# Allegro board reComputer J202_V1.0.brd (continued)
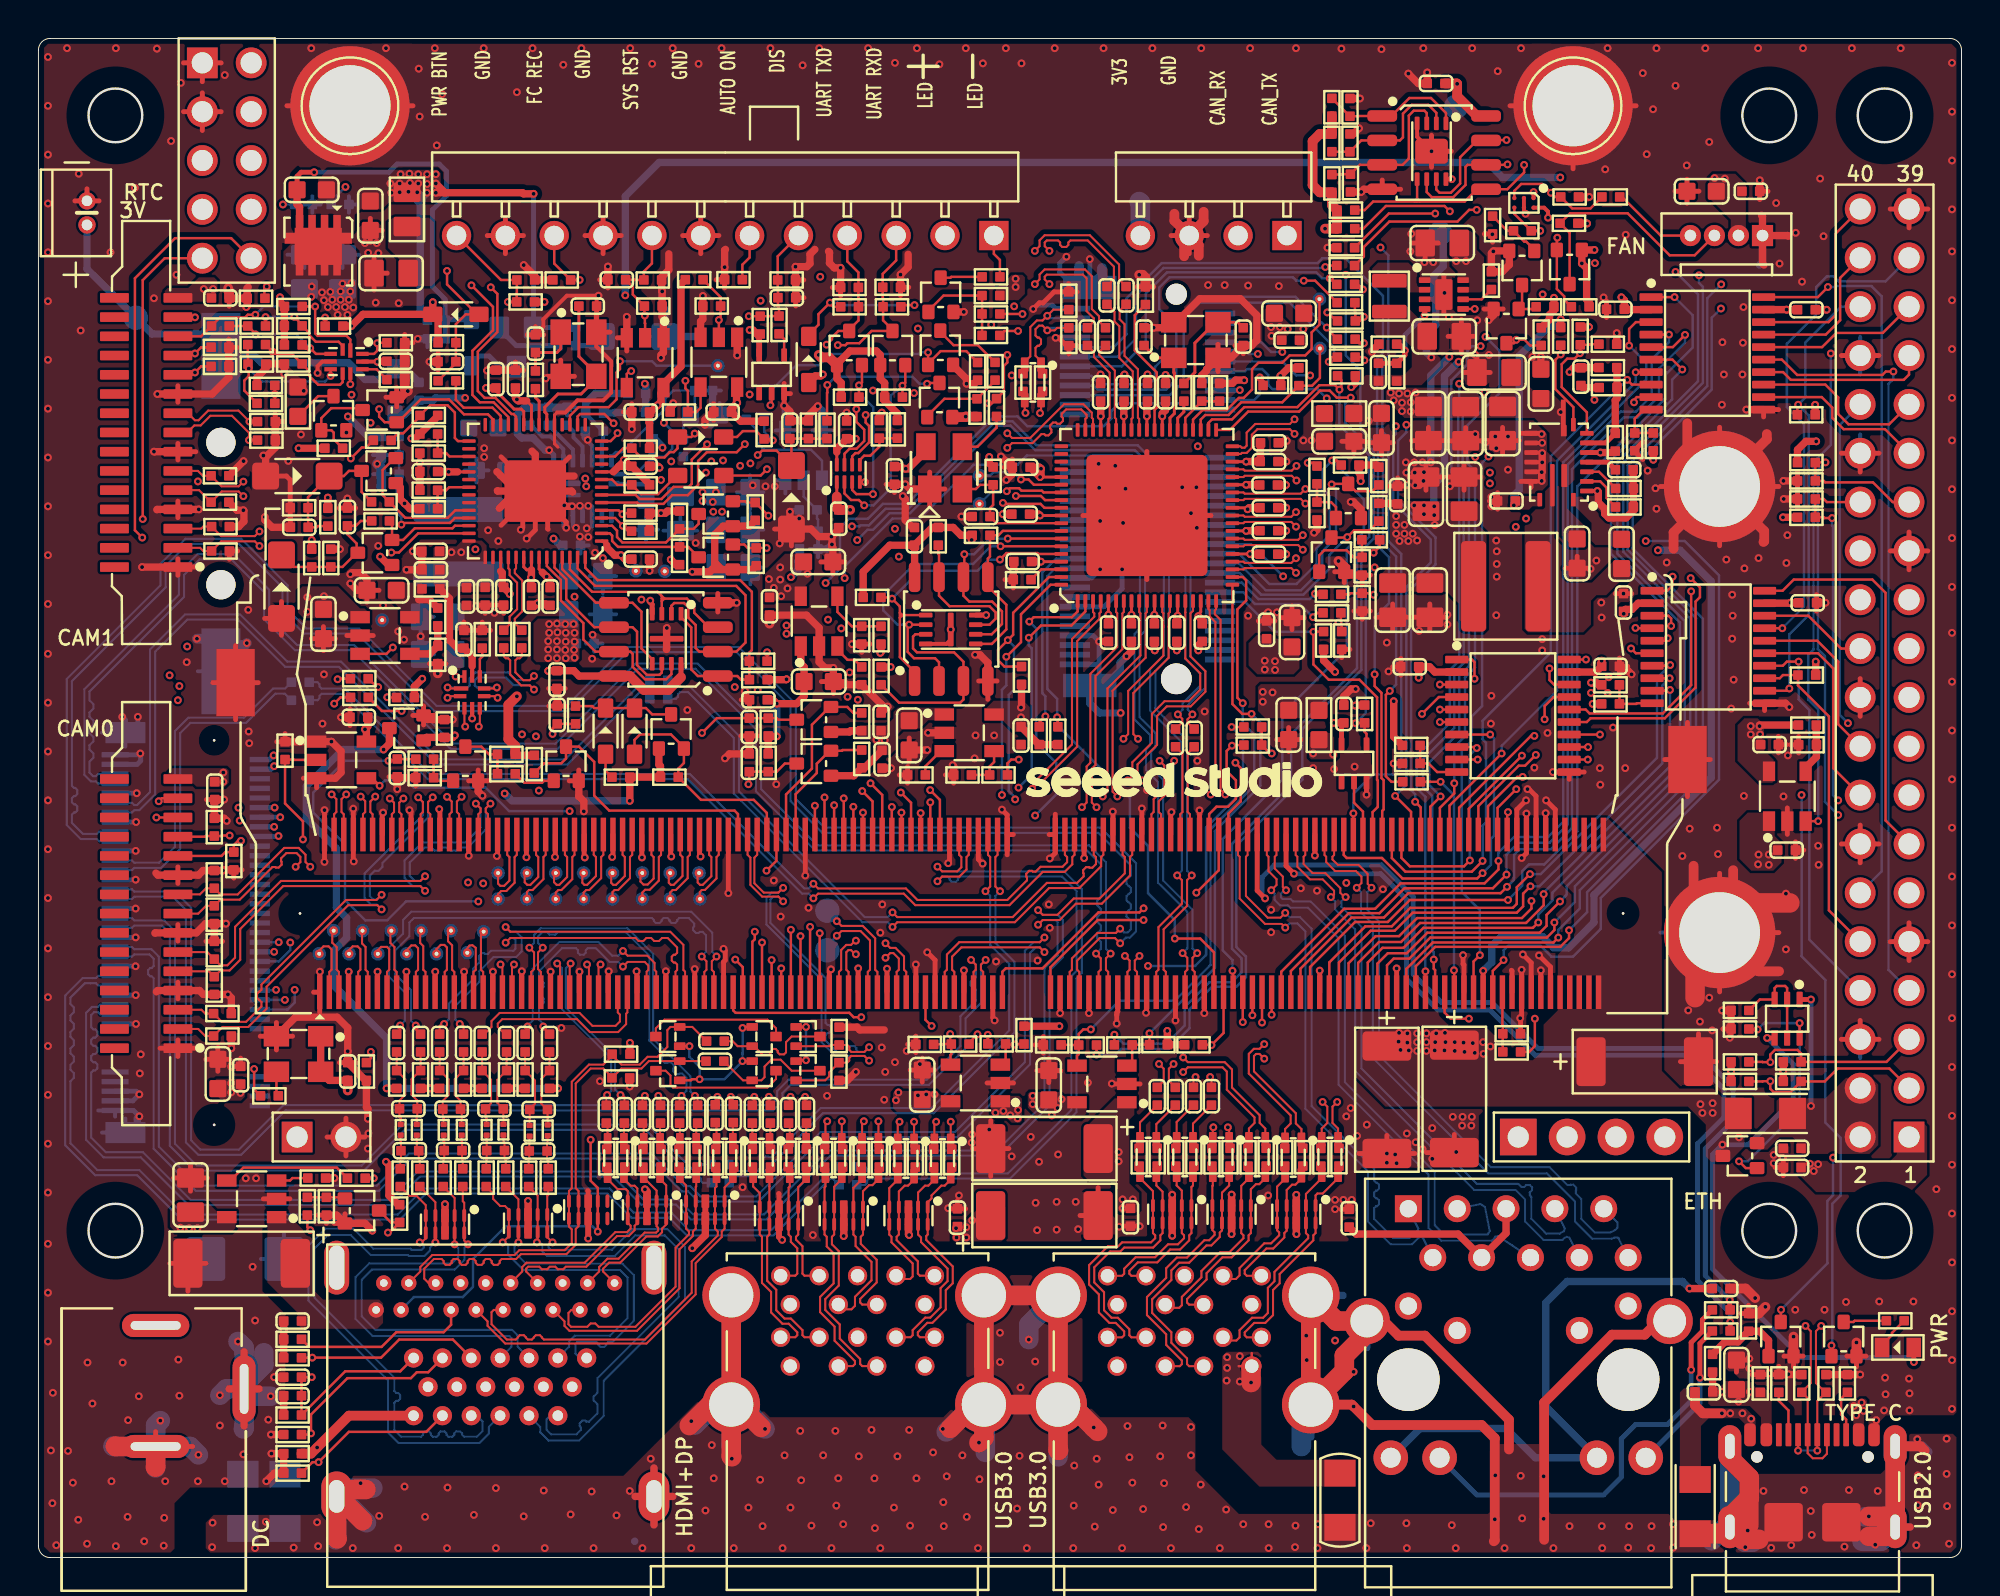
[diagram p0: board, top side]
## Routing (per net, layer and track width the routed paths; a pad name or vN(x,y) marks a point on that pad's centre or on a via; arc(x,y) is an arc through that point) (continued)
USBSS_TX_A_CON2_P: length 10.8
  TOP w0.107: R31.2 37.13,19.89 L7.3 37.16,19.3 37.51,18.95 U3.5 U3.6 37.51,16.8 37.62,16.68 37.62,14.28 38.1,13.81 38.1,12.75 38.69,12.16 39.01,12.16 39.46,11.71 39.46,11.56 39.35,11.46 J4.9
USBSS_TX_B_CON1_N: length 8.8
  TOP w0.107: R50.2 60.08,19.95 L13.2 60.04,19.35 59.95,19.27 U6.1 U6.10 59.95,16.87 59.84,16.76 59.84,16.49 59.36,16.02 58.85,16.02 58.18,15.35 57.17,15.35 56.73,14.91 56.73,14.76 56.83,14.65 J3.17
USBSS_TX_B_CON1_P: length 8.9
  TOP w0.107: J3.18 56.35,14.65 56.46,14.76 56.46,15.02 57.05,15.62 58.07,15.62 58.74,16.29 59.25,16.29 59.57,16.61 59.57,16.76 59.45,16.87 U6.9 U6.2 59.45,19.08 59.19,19.35 L13.3 59.14,19.95 R44.2
USBSS_TX_B_CON2_N: length 13.5
  TOP w0.107: R49.2 58.18,19.95 L12.2 58.13,19.35 58.45,19.03 U6.4 U6.7 58.45,16.87 58.34,16.76 58.34,16.49 57.97,16.12 56.46,16.12 56.26,15.92 55.72,15.92 54.9,15.09 54.9,14.31 55.41,13.8 55.41,12.86 55.8,12.47 56.13,12.47 56.73,11.87 56.73,11.56 56.83,11.45 J3.8
USBSS_TX_B_CON2_P: length 13.6
  TOP w0.107: R43.2 57.24,19.95 L12.3 57.28,19.73 57.95,19.06 U6.5 U6.6 57.95,16.87 58.07,16.76 58.07,16.61 57.85,16.39 56.35,16.39 56.15,16.19 55.61,16.19 54.63,15.21 54.63,14.2 55.14,13.69 55.14,12.75 55.69,12.2 56.02,12.2 56.46,11.76 56.46,11.56 56.35,11.45 J3.9
USBSS_TX_HUB_N: length 7.1
  TOP w0.107: C161.2 56.22,64.84 56.22,64.4 56.48,64.14 56.48,62.49 57.17,61.8 57.17,59.28 57.24,59.21 U28.49
USBSS_TX_HUB_P: length 7.1
  TOP w0.107: U28.50 56.84,59.21 56.9,59.28 56.9,61.68 56.21,62.38 56.21,64.03 55.95,64.28 55.95,64.78 C160.2
USBSS_TX_N: length 38.5
  TOP w0.107: v1(51.81,66.23) 52.06,66.47 52.06,66.72 52.32,66.99 54.42,66.99 54.77,66.63 54.77,64.93 55.15,64.55 55.15,64.29 C151.1 ; J11.166 57.87,38.66 57.99,38.77 57.99,39.44 58.54,40 58.54,41.19 v1(58.3,41.43)
  LAY3 w0.084: v1(51.81,66.23) 52.07,65.96 52.07,65.57 54.44,63.2 54.44,58.98 57.28,56.14 57.28,44 58.56,42.72 58.56,41.7 v1(58.3,41.43)
USBSS_TX_P: length 38.3
  TOP w0.107: J11.168 58.37,38.66 58.26,38.77 58.26,39.33 58.81,39.89 58.81,41.19 v1(59.06,41.43) ; v1(52.57,66.23) 52.33,66.47 52.33,66.61 52.43,66.72 54.31,66.72 54.51,66.52 54.51,64.82 54.88,64.44 54.88,64.29 C150.1
  LAY3 w0.084: v1(52.57,66.23) 52.31,65.96 52.31,65.67 52.54,65.44 52.66,65.44 52.69,65.47 52.81,65.47 52.93,65.35 52.93,65.23 52.9,65.2 52.9,65.08 53.01,64.96 53.13,64.96 53.17,65 53.28,65 53.4,64.88 53.4,64.76 53.37,64.73 53.37,64.61 53.49,64.49 53.61,64.49 53.64,64.52 53.76,64.52 53.88,64.4 53.88,64.29 53.84,64.25 53.84,64.13 54.68,63.3 54.68,59.08 57.52,56.24 57.52,44.1 58.8,42.82 58.8,41.7 v1(59.06,41.43)
USBSUS: length 4.7
  TOP w0.127: U28.64 52.27,55.39 52.18,55.48 51.12,55.48 50.99,55.61 50.51,55.61 v1(50.35,55.46)
  BOTTOM w0.127: TP33.1 49.6,55.46 v1(50.35,55.46)
W_DISABLE1: length 11.6
  TOP w0.127: Q19.3 68.03,53.04 v1(68.06,53.07) 68.41,53.42 69.22,53.42 R142.2
  BOTTOM w0.127: v1(68.06,53.07) 67.12,52.13 67.12,51.42 65.78,50.07 63.59,50.07 62.46,51.2 J20.56
W_DISABLE1_CTRL: length 43.6
  TOP w0.127: R266.1 69.74,52.57 v1(69.43,52.26) ; J11.128 v1(46.37,39.28)
  LAY3 w0.127: v1(46.37,39.28) 46.1,39.55 46.06,39.55 45.53,40.09 45.53,48.25 45.66,48.37 45.66,51.14 v1(44.74,52.05)
  LAY4 w0.127: v1(69.43,52.26) 69.43,53.17 68.6,54 65.24,54 65.23,54.01 64.78,54.01 63.87,54.92 51.8,54.92 50.25,53.37 47.15,53.37 45.83,52.05 v1(44.74,52.05)
W_DISABLE2: length 13.9
  TOP w0.127: v1(67.25,55.81) 67.27,55.84 Q22.3 68.49,55.46 69.37,55.46 R152.2
  BOTTOM w0.127: v1(67.25,55.81) 67.47,55.58 67.47,53.04 66.76,52.33 66.76,51.42 65.65,50.3 63.82,50.3 62.42,51.7 J20.54
WIFI_EN: length 4.3
  TOP w0.127: R266.2 68.82,52.49 68.83,52.47 R267.1 68.39,52.01 68.02,52.38 66.86,52.38 66.6,52.12 Q19.1
YELLOW_LED: length 8
  TOP w0.254: R6.2 86.4,11.14 v1(86.4,9.35)
  BOTTOM w0.254: v1(86.4,9.35) 86.4,8.01 J6.18
N25850412: length 3
  TOP w0.127: R96.2 R90.2 72.29,41.3 72.73,40.85 U19.10
N25851230: length 2.7
  TOP w0.127: U21.10 83.12,44.43 83.08,44.39 R107.2 R110.2
N25852172: length 2.8
  TOP w0.127: U37.10 83.48,59.7 83.01,59.23 R158.2 R159.2
N25911235: length 1.3
  TOP w0.127: D20.1 29.49,40.92 R83.2
N25912244: length 2
  TOP w0.127: Q3.1 15.88,18.73 R12.1 R11.1
N25927437: length 1.9
  TOP w0.127: R8.1 96.38,11.68 96.38,11.57 95.87,11.05 LED1.2
N25927478: length 2.2
  TOP w0.127: R8.2 94.44,12.31 94.38,12.25 Q2.3
N25946676: length 2.2
  TOP w0.127: Q31.3 47.42,66.56 47.47,66.6 R230.2
N25979746: length 8.1
  TOP w0.127: D38.2 40.06,63.61 40.56,64.11 40.56,64.66 v1(41.16,65.26) 41.16,65.21 41.33,65.04 R215.1 ; R216.1 44.93,65.13 v1(45.55,65.13)
  BOTTOM w0.127: v1(41.16,65.26) 41.55,65.26 41.68,65.13 v1(45.55,65.13)
N26006489: length 5.5
  TOP w0.127: Q11.5 Q11.2 90.93,29.62 90.82,29.73 90.39,29.73 90.28,29.61 Q11.3 89.51,29.02 R80.1
N26006497: length 13.4
  TOP w0.127: Q11.6 v1(91.58,27.79) ; v1(88.43,20.61) 88.78,20.25 Q4.1 ; R79.1 88.96,27.46 v1(89.39,27.46)
  BOTTOM w0.127: v1(89.39,27.46) 89.72,27.79 v1(91.58,27.79) 91.58,23.3 88.89,20.61 v1(88.43,20.61)
N26055734: length 3.2
  TOP w0.152: R185.1 25.84,62.21 25.85,62.21 C147.1 26.96,62.67 27.16,62.86 X1.1
N26086243: length 2.7
  TOP w0.127: U29.31 21.38,57.26 21.2,57.44 R155.1 R162.1
N26086803: length 2.7
  TOP w0.127: U29.35 21.36,55.66 21.2,55.5 R148.1 R143.1
N26280660: length 10.5
  TOP w0.127: U29.17 27.64,59.38 28.08,59.82 29.65,59.82 30.06,60.23 30.06,61.63 30.24,61.81 v1(30.24,62.21)
  BOTTOM w0.127: TP37.1 32.14,61.98 31.91,62.21 v1(30.24,62.21)
N26375074: length 17.9
  TOP w0.127: Q30.3 76.72,63.15 76.85,63.28 v1(76.85,63.33) 77.27,63.33 77.57,63.03 R203.2 ; U39.C1 76.75,71.08 77.1,71.43 78.19,71.43 v1(78.65,70.97) 78.87,70.76 R238.1 79.75,70.16 80.7,70.16 R270.1
  LAY3 w0.127: v1(78.65,70.97) 78.12,71.51 77.3,71.51 76.75,70.95 76.75,63.86 76.85,63.76 v1(76.85,63.33)
N26991327: length 1.3
  TOP w0.127: R268.1 12.37,24.11 OSC1.3
N27061287: length 1
  TOP w0.381: R4.1 87.05,8.63 C3.1
  vias: v1(87.52,8.62) v1(88.4,8.11) v1(88.99,8.62) v1(94.4,7.88) v1(94.52,7.4) v1(94.8,8.06) v1(94.91,7.63)
N27061303: length 4.4
  TOP w0.381: R4.2 87.7,11.21 88.37,11.21 R7.1 89.49,11.77 89.96,11.3 Q1.1
N27077930: length 2.5
  BOTTOM w0.254: D53.2 28.8,63.02 R257.1 27.93,63.99 R259.2
N27077935: length 3.5
  BOTTOM w0.254: Q35.1 23.97,63.9 24.84,63.02 R257.2
N27077990: length 2.8
  BOTTOM w0.254: D52.1 22.52,62.08 22.92,62.48 23.44,62.48 23.99,61.93 Q35.3
N27078074: length 21.6
  TOP w0.254: C167.2 13.45,71.83 13.66,72.04 v1(14.34,72.04)
  TOP w0.381: C167.2 13.45,70.37 13.58,70.24 Q34.4
  BOTTOM w0.254: R258.1 21.15,64.34 R260.2 ; R260.2 21.18,64.38 D52.2 22.52,64.48 ; R260.2 21.15,65.43 20.48,66.1 20.48,70.09 21.22,70.82 21.22,72.09 20.84,72.47 18.66,72.47 18.22,72.04 v1(14.34,72.04)
N27097525: length 1.3
  BOTTOM w0.381: R253.2 29.95,59.52 29.98,59.55 C192.1
N27099788: length 1
  TOP w0.381: C144.1 80.32,60.84 R180.2
N27107328: length 3.6
  TOP w0.127: Q29.3 46.9,63.74 47.58,63.05 48.85,63.05 R190.2
N27107353: length 4.4
  TOP w0.127: Q26.1 46.22,59.37 47.11,60.26 R171.1 ; 48.86,60.26 R171.1 ; R171.1 49.74,61.2 R190.1
N27107904: length 8
  TOP w0.127: v1(41.02,60.98) 41.02,60.59 41.01,60.57 R165.1 ; Q26.3 46.38,61.08 46.34,61.04 v1(46.21,61.04)
  BOTTOM w0.127: v1(46.21,61.04) 45.81,61.04 45.45,61.4 41.45,61.4 v1(41.02,60.98)
N27110960: length 1.2
  TOP w0.127: U33.4 38.78,63.37 R212.2
N27125534: length 1.7
  TOP w0.127: R219.1 75.04,65.43 U38.6
N27125586: length 5
  TOP w0.254: C141.2 69.68,62.11 R194.2 71.06,62.53 v1(71.06,62.77) 71.06,62.8 70.75,63.1 R199.1 ; U38.4 v1(72.08,64.6)
  BOTTOM w0.254: v1(72.08,64.6) 71.06,63.57 v1(71.06,62.77)
N27163242: length 3.4
  TOP w0.127: U27.4 41.55,49.18 42.29,48.43 R122.1 R123.2
N27163660: length 1.8
  TOP w0.127: R114.1 42.44,46.69 42.07,46.69 41.55,47.21 U27.3
N27181331: length 2.3
  TOP w0.127: R86.1 R87.2 49.46,41.14 49.69,41.37 U18.4
N27181337: length 1.8
  TOP w0.127: U18.3 46.91,41.94 46.12,41.14 R85.1
N27707013: length 6.2
  BOTTOM w0.127: U43.1 40.74,57.04 40.17,57.61 37.73,57.61 37.38,57.97 37.38,58.63 R269.1

## Copper pours and planes (outline as drawn; the poured copper is in the pictures)
3V3_LDO on TOP: 19.85,48.75 19.85,49.74 20.03,49.92 20.03,50.58 19.9,50.71 18.35,50.71 18.2,50.55 18.2,49.94 18.81,49.33 18.81,48.72 18.99,48.55 19.65,48.55
3V3_MCU on TOP: 23.05,52.89 22.03,52.89 21.73,52.59 20.64,52.59 20.54,52.48 20.54,50.6 21.27,49.87 21.6,49.87 21.96,50.22 23.46,50.22 23.71,50.48 23.71,52.28 23.66,52.33 23.58,52.33 23.56,52.31 23.56,51.7 23.51,51.65 23.35,51.65 23.3,51.7 23.3,52.64
3V3_MCU on PWR05: 32.65,54.19 32.65,59.95 32.37,60.23 29.7,60.23 29.2,59.72 29.2,57.97 28.92,57.69 28.23,57.69 27.98,57.94 27.98,60.61 27.62,60.97 25.69,60.97 24.98,61.68 24.98,65.11 24.42,65.67 18.94,65.67 18.5,65.23 18.5,62.36 17.49,61.35 17.49,51.98 17.69,51.77 28.23,51.77 29.76,53.3 31.76,53.3
GND on TOP: 71.34,69.07 72.81,69.07 72.96,68.92 72.96,67.29 73.52,66.73 73.52,64.93 73.88,64.57 74.99,64.57 75.22,64.8 75.22,65.21 75.32,65.31 75.83,65.31 75.96,65.18 75.96,64.32 75.7,64.07 75.7,61.37 75.32,60.99 73.77,60.99 73.27,61.5 73.27,62.13 73.32,62.12 73.37,62.12 73.69,62.44 73.37,62.77 73.32,62.76 73.27,62.75 73.42,62.9 73.42,63.89 72.66,64.65 72.66,65.11 72.45,65.31 71.94,65.31 71.87,65.39 71.87,65.49 71.94,65.56 72.48,65.56 72.55,65.64 72.55,66.17 72.43,66.3 71.94,66.3 71.84,66.4 71.84,67.37 71.18,68.03 71.18,68.92
GND on TOP: 68.36,17.86 67.37,17.86 67.2,18.04 67.2,18.73 67.53,19.06 68.29,19.06 68.52,18.83 68.52,18.02
GND on TOP: 74.64,20.28 74.89,20.53 74.89,22.97 74.71,23.15 69.63,23.15 69.13,23.65 68.21,23.65 67.78,23.22 67.78,22.77 68.24,22.31 68.24,20.45 68.41,20.28
GND on TOP: 10.88,25.43 10.88,26.93 10.53,27.29 10.07,27.29 9.82,27.03 9.82,26.83 9.71,26.73 5.27,26.73 4.81,26.27 4.81,20.38 6.11,19.08 8.6,19.08 9.36,18.32 10.43,18.32 10.53,18.22 10.53,17 10.15,16.62 6.95,16.62 6.84,16.52 6.84,13.93 7.33,13.44 7.94,13.44 9.56,11.82 9.56,10.22 8.5,9.15 5.45,9.15 4.36,8.06 4.36,5.52 4.79,5.09 12.2,5.09 12.43,5.32 12.43,7.12 12.53,7.22 12.71,7.22 12.84,7.35 12.84,12.66 11.65,13.85 11.65,18.24 11.77,18.37 12.69,18.37 12.81,18.5 12.81,18.83 12.69,18.96 11.77,18.96 11.65,19.08 11.65,19.79 11.44,20 10.78,20 10.53,19.74 10.53,19.08 10.4,18.96 9.38,18.96 9,19.34 9,20.71 7.99,21.72 7.99,24.72 8.57,25.31 10.76,25.31
GND on TOP: 90.16,59.7 86.14,59.7 84.21,57.77 84.21,53.37 83.04,52.2 83.04,51.01 82.54,50.5 82.16,50.5 81.88,50.22 81.88,49.79 81.98,49.69 82.69,49.69 82.97,49.97 82.97,50.4 84.75,52.18 89.78,52.18 91.1,53.5 91.1,58.76
GND on TOP: 95.49,9.41 95.82,9.74 97.62,9.74 97.73,9.63 97.73,7.75 97.37,7.4 96.07,7.4 95.74,7.07 95.74,5.98 95.62,5.85 95.31,5.85 95.16,6 95.16,7.25 95.49,7.58
GND on TOP: 78.47,61.35 77.89,61.35 77.66,61.58 77.66,62.16 77.48,62.34 77.48,62.57 77.63,62.72 78.45,62.72 78.6,62.57 78.6,61.48
GND on TOP: 90.49,21.5 90.89,21.5 91.05,21.34 91.05,20.12 90.92,20 90.16,20 90,20.15 90,21.01
GND on TOP: 91.45,9.28 89.22,9.28 88.81,9.68 87.9,9.68 87.74,9.84 87.74,10.62 87.95,10.83 88.76,10.83 89.65,9.94 90.74,9.94 90.99,10.19 90.99,11.62 91.1,11.72 91.38,11.72 91.5,11.59 91.5,9.33
GND on TOP: 45.63,53.37 44.41,53.37 42.38,51.34 41.19,51.34 40.86,51.67 40.86,52.05 40.32,52.59 38.44,52.59 38.21,52.81 38.21,53.55 38.24,53.58 38.24,54.64 37.65,55.23 36.97,55.23 36.79,55.4 36.79,55.86 36.99,56.07 38.26,56.07 38.95,55.38 40.75,55.38 41.01,55.13 41.01,54.03 41.26,53.78 42.58,53.78 44.06,55.25 45,55.25 45.3,54.95 45.3,54.34 45.68,53.96 45.68,53.42
GND on TOP: 65.34,63.13 65.34,65.23 64.96,65.62 63,65.62 62.65,65.97 57.7,65.97 56.93,66.73 56.93,67.39 56.55,67.77 56.55,67.83 56.98,67.83 57.04,67.77 58.56,67.77 59.09,68.31 59.09,68.89 59.42,69.22 60.21,69.22 60.57,68.87 60.57,68.08 60.87,67.77 65.67,67.77 65.7,67.75 65.7,67.65 65.11,67.06 65.11,66.48 66.18,65.41 66.18,64.07 65.93,63.81 65.93,63.1 65.82,63 65.47,63
GND on TOP: 17.16,23.58 15.66,23.58 15.18,23.1 15.18,20.86 15.48,20.56 17.28,20.56 17.56,20.84 17.56,23.17
GND on TOP: 16.17,51.44 16.04,51.32 16.04,50.4 16.52,49.92 16.75,49.92 17.41,49.26 17.41,48.34 17.31,48.24 13.6,48.24 13.25,48.6 13.25,49.18 12.92,49.51 12.33,49.51 11.75,50.1 11.75,51.57 10.76,52.56 9.84,52.56 9.71,52.43 9.71,52.08 9.33,51.7 6.57,51.7 6.21,51.34 6.21,41.49 6.46,41.23 11.57,41.23 12.46,42.12 15.35,42.12 15.56,41.92 15.56,41.79 15.66,41.69 15.89,41.69 16.27,42.07 16.27,43.72 16.04,43.95 15.25,43.95 14.79,44.41 14.79,45.5 16.04,46.74 16.04,47.53 16.17,47.66 17.31,47.66 17.46,47.51 19.93,47.51 20.1,47.68 20.1,48.19 19.98,48.32 18.86,48.32 18.48,48.7 18.48,49.38 18.12,49.74 17.72,49.74 17.49,49.97 17.49,50.73 17.67,50.91 20.03,50.91 20.21,51.09 20.21,52.56 20,52.76 19.6,52.76 18.94,52.1 18.94,51.37 18.76,51.19 17.89,51.19 17.64,51.44
GND on TOP: 80.7,52.09 80.89,52.28 81.22,52.28 81.34,52.15 81.34,51.62 80.58,50.86 79.54,50.86 79.39,51.01 79.39,51.98 79.5,52.09
GND on TOP: 21.81,49.56 21.98,49.74 24.24,49.74 24.4,49.59 24.4,49.31 23.05,47.96 22.06,47.96 21.81,48.22
GND on TOP: 65.65,42.86 64.71,42.86 64.43,42.58 64.43,41.71 64.25,41.54 63.54,41.54 63.28,41.28 63.28,40.55 63.51,40.32 66.69,40.32 67.17,40.8 68.85,40.8 68.95,40.7 68.95,39.45 69.05,39.35 69.25,39.35 69.38,39.48 69.38,41.18 69.23,41.33 65.98,41.33 65.8,41.51 65.8,42.7
GND on TOP: 62.78,48.67 62.78,49.38 63.08,49.69 63.08,49.94 63.26,50.12 65.29,50.12 65.3,50.11 69.57,50.11 69.68,49.99 73.01,49.99 73.52,49.49 73.52,48.27 74.38,47.4 82.28,47.4 82.77,46.92 82.77,44.81 82.71,44.76 71.26,44.76 67.83,48.19 63.26,48.19
GND on TOP: 86.96,42.1 89.01,40.04 90.46,40.04 90.64,40.22 90.64,41.49 90.26,41.87 90.26,42.45 90.44,42.63 91.55,42.63 91.73,42.45 91.73,41.87 91.38,41.51 91.38,39.45 91.22,39.3 91.22,37.78 91.71,37.29 92.65,37.29 92.82,37.12 92.82,30.77 92.09,30.03 89.47,30.03 88.18,28.73 88.18,26.35 87.97,26.14 87.64,26.14 87.54,26.04 87.54,25 87.11,24.57 85.48,24.57 84.67,25.38 84.67,36.46 85.05,36.84 87.31,36.84 88.77,35.38 90.7,35.38 91.12,35.8 91.12,37.04 90.64,37.52 90.64,38.84 90.44,39.05 88.61,39.05 88.05,38.49 88.05,37.75 87.82,37.52 85.38,37.52 84.42,38.49 84.42,42.98 84.57,43.14 84.57,43.29 84.7,43.42 86.8,43.42 86.96,43.26
GND on TOP: 48.2,17.94 47.26,17.94 47.1,18.09 47.1,18.57 48.02,19.49 48.02,23.02 48.27,23.27 48.27,24.01 48.02,24.26 47.13,24.26 46.72,24.67 44.13,24.67 43.62,25.18 43.62,27.19 43.55,27.26 43.55,27.49 43.7,27.64 45.33,27.64 45.83,27.13 45.83,26.22 46.85,25.2 48.98,25.2 49.21,24.98 50.66,24.98 50.86,25.18 50.86,26.12 50.99,26.25 51.68,26.25 51.83,26.4 51.83,27.08 51.9,27.16 52.36,27.16 52.49,27.03 52.49,26.47 53.02,25.94 53.02,25.41 53.3,25.13 55.82,25.13 56.02,24.92 56.91,24.92 57.06,24.77 57.06,24.44 56.96,24.34 53.4,24.34 53.15,24.59 51.29,24.59 51.07,24.37 49.42,24.37 49.34,24.29 49.34,22.97 50.15,22.16 52.41,22.16 53.43,21.14 53.43,19.87 54.29,19.01 55.51,19.01 55.82,18.7 55.82,17.81 56.07,17.56 57.37,17.56 57.52,17.41 57.52,17.1 57.21,16.8 51.73,16.8 51.5,17.03 51.5,19.11 50.81,19.79 49.11,19.79 48.4,19.08 48.4,18.14
GND on TOP: 28.38,52.64 23.74,52.64 23.02,53.35 23.02,57.89 23.13,58 27.67,58 28.18,57.49 28.18,55.53 28.76,54.95 28.76,53.02 ; 1 cut-out
GND on TOP: 12.71,59.24 12.2,59.24 12.08,59.11 12.08,57.84 11.77,57.54 10.81,57.54 10.32,57.06 10.32,56.65 10.43,56.55 10.96,56.55 11.09,56.42 11.09,54.95 10.58,54.44 10.58,53.91 10.68,53.8 10.86,53.8 11.06,54.01 11.67,54.01 12.18,53.5 13.07,53.5 13.35,53.78 13.35,57.77 13.52,57.94 14.13,57.94 14.21,58.02 14.21,58.58 14.06,58.73 12.97,58.73 12.81,58.88 12.81,59.14
GND on TOP: 78.65,30.28 76.54,30.28 76.42,30.41 76.42,31.4 76.59,31.58 78.5,31.58 78.75,31.33 78.75,30.39
GND on TOP: 68.44,3.82 68.44,4.78 68.13,5.09 64.38,5.09 63.59,5.87 63.59,10.52 63.41,10.7 61.78,10.7 61.56,10.47 61.56,5.62 63.49,3.69 68.31,3.69
GND on TOP: 17.72,69.37 16.88,69.37 16.65,69.15 16.65,68.33 16.83,68.16 16.83,65.16 16.98,65.01 18.91,65.01 19.04,65.13 19.04,65.51 18.78,65.77 18.3,65.77 17.92,66.15 17.92,69.17
GND on TOP: 70.32,58.63 67.8,58.63 67.73,58.55 67.73,57.56 67.91,57.39 69.61,57.39 70.24,56.75 70.24,55.51 70.29,55.46 74.87,55.46 75.17,55.15 75.17,54.64 75.5,54.31 76.11,54.31 76.31,54.52 76.31,55.28 76.62,55.58 78.04,55.58 78.35,55.89 78.35,58.48 77.84,58.99 70.67,58.99
GND on TOP: 45.3,40.29 43.88,40.29 43.62,40.55 43.62,41.13 43.78,41.28 44.41,41.28 44.82,41.69 44.82,42.32 44.92,42.43 45.5,42.43 46.27,43.19 50.2,43.19 50.86,42.53 51.24,42.53 51.35,42.43 51.35,42.07 51.27,41.99 50.69,41.99 50.25,42.43 49.01,42.43 48.88,42.3 48.88,41.43 48.65,41.21 48.07,41.21 47.84,40.98 47.84,40.39 47.64,40.19 47.28,40.19 47.13,40.34 47.13,41.21 47.41,41.49 47.66,41.49 47.79,41.61 47.79,42.48 47.69,42.58 46.54,42.58 46.44,42.48 46.44,41.89 45.45,40.9 45.45,40.44
GND on TOP: 88.79,7.75 86.65,7.75 86.37,8.03 86.37,8.67 86.25,8.8 85.56,8.8 85.36,8.59 85.36,3.56 85.51,3.41 86.32,3.41 86.45,3.54 86.45,6.84 86.85,7.25 88.43,7.25 88.71,6.97 88.71,5.95 88.79,5.87 89.19,5.87 89.29,5.98 89.29,7.25
GND on TOP, BOTTOM, GND02, LAY3, LAY4: 81.57,78.72 77.66,78.72 76.47,77.53 76.47,74.18 78.47,72.17 81.04,72.17 83.12,74.25 83.12,77.17
GND on TOP, GND02, PWR05: 14.03,78.72 19.42,78.72 20.23,77.91 20.23,73.62 18.91,72.3 13.6,72.3 12.66,73.24 12.66,77.35
GND on BOTTOM: 35.62,62.52 35.83,62.31 35.83,61.73 35.39,61.3 34.91,61.3 34.63,61.02 34.63,59.06 35.95,57.74 40.8,57.74 43.52,55.02 45.05,55.02 49.75,59.72 50.81,59.72 51.22,59.32 52.41,59.32 53.02,59.93 53.02,63.38 52.87,63.53 52.18,63.53 52.11,63.61 52.11,65.39 52.31,65.59 55.61,65.59 55.99,65.97 55.99,71.15 55.16,71.99 33.64,71.99 31.46,69.81 31.46,63.1 32.04,62.52
GND on BOTTOM: 65.75,16.44 51.85,16.44 51.4,16.9 51.4,19.18 58.33,26.12 59.35,26.12 60.26,27.03 60.26,28.38 60.95,29.06 64.68,29.06 64.99,28.76 64.99,22.16 66.61,20.53 66.61,17.3
GND on BOTTOM: 81.9,39.76 80.83,39.76 80.38,40.22 80.38,51.72 80.76,52.1 81.34,52.1 83.96,49.49 83.96,41.82
GND on BOTTOM: 14.03,78.72 19.42,78.72 20.23,77.91 20.23,73.62 21.17,73.62 23.25,71.53 23.25,64.73 22.92,64.4 21.37,64.4 20.54,65.23 20.54,70.06 21.27,70.8 21.27,72.09 21.07,72.3 13.6,72.3 12.66,73.24 12.66,77.35
GND on BOTTOM: 22.29,56.29 22.29,57.64 22.52,57.87 23.3,57.87 23.43,57.74 23.43,57.13 23.23,56.93 23.23,56.17 23.15,56.09 22.49,56.09
GND on BOTTOM: 10.48,48.27 8.14,48.27 6.62,46.74 6.62,44.79 7.35,44.05 10.38,44.05 11.42,45.09 11.42,47.33
GND on BOTTOM: 5.27,41.69 3.44,41.69 3.31,41.82 3.31,43.77 3.54,44 5.22,44 5.42,43.8 5.42,41.84
GND on BOTTOM: 14.01,70.01 13.78,69.78 13.02,69.78 12.81,69.58 12.81,67.29 13.02,67.09 16.67,67.09 16.83,66.94 16.83,63.1 17.39,62.54 18.96,62.54 19.62,61.88 20.33,61.88 20.46,62.01 20.46,63.41 20.26,63.61 19.93,63.61 19.16,64.37 19.16,69.65 17.92,70.9 16.09,70.9 15.96,70.77 15.96,70.04 15.81,69.88 14.79,69.88 14.62,70.06 14.62,70.75 14.54,70.82 14.11,70.82 14.01,70.72
GND on BOTTOM: 60.46,56.01 59.45,56.01 59.24,55.81 59.24,54.69 60.06,53.88 60.06,53.55 60.21,53.4 60.44,53.4 60.64,53.6 60.64,55.84
GND on BOTTOM: 18.43,48.93 18.43,47.15 19.32,46.26 19.8,46.26 20.41,45.65 20.79,45.65 20.99,45.85 20.99,46.11 20.54,46.57 20.54,49.72 20.38,49.87 19.37,49.87
GND on BOTTOM: 75.6,63.41 75.27,63.74 73.24,63.74 72.86,64.12 72.86,66 73.39,66.53 74.94,66.53 75.4,66.99 75.4,69.04 75.88,69.53 89.62,69.53 90.11,69.04 90.11,66.56 89.45,65.89 89.45,54.19 88.81,53.55 84.04,53.55 83.25,54.34 83.25,56.75 87.18,60.69 87.18,66.4 86.47,67.11 85,67.11 84.59,66.71 84.59,64.17 83.73,63.3 82.61,63.3 82.26,62.95 82.26,61.2 78.47,57.41 78.47,47.2 77.89,46.62 75.91,46.62 75.6,46.92
GND on BOTTOM: 89.55,58.94 85.97,58.94 84.24,57.21 84.24,54.31 86.09,52.46 89.65,52.46 90.82,53.63 90.82,57.67
GND on BOTTOM: 72.35,58.02 71.26,58.02 70.88,57.64 70.88,55.76 71.13,55.51 71.77,55.51 72.61,56.34 72.61,57.77
GND on BOTTOM: 4.61,23.3 3.49,23.3 3.36,23.17 3.36,21.88 3.59,21.65 5.14,21.65 5.5,22 5.5,29.32 5.35,29.47 4.79,29.47 4.69,29.37 4.69,27.85 3.57,27.85 3.47,27.74 3.47,27.57 4.69,26.35 4.69,23.38
GND on BOTTOM: 78.65,41.49 77.38,41.49 77.13,41.23 77.13,38.03 77.3,37.85 78.47,37.85 78.98,38.36 78.98,41.16
GND on BOTTOM: 29.22,54.46 28.74,54.95 27.19,54.95 26.99,54.74 26.99,53.75 27.77,52.97 27.77,52.36 28.49,51.65 28.49,46.67 28.1,46.29 26.5,46.29 26.33,46.11 26.33,44.97 26.66,44.64 27.16,44.64 30.11,47.58 37.07,47.58 40.14,44.51 40.14,39.83 41.39,38.59 50.13,38.59 50.3,38.77 50.3,39.02 49.87,39.45 49.87,46.79 51.88,48.8 51.88,50.63 50.91,51.59 49.57,51.59 48.93,50.96 46.09,50.96 45.66,50.53 45.66,48.34 45.48,48.17 44.64,48.17 43.5,49.31 43.5,49.94 43.12,50.32 41.95,50.32 41.49,50.78 41.49,53.22 41.34,53.37 40.93,53.37 40.86,53.3 40.3,53.3 40.12,53.12 40.12,51.54 39.79,51.21 39.2,51.21 39.1,51.32 39.1,54.06 39.28,54.24 39.69,54.24 39.76,54.31 39.76,54.85 39.1,55.51 39.1,56.57 39.2,56.67 39.2,57.11 39.03,57.28 38.14,57.28 37.15,56.29 36.54,56.29 36.36,56.12 36.36,50.5 36.16,50.3 34.76,50.3 34.38,50.68 34.38,53.88 34.18,54.08 30.85,54.08 30.47,54.46
GND on BOTTOM: 54.67,52.59 55,52.59 55.97,51.62 56.35,51.62 56.58,51.39 56.58,43.09 56.37,42.88 54.42,42.88 53.61,43.7 53.61,45.65 53.86,45.91 54.62,45.91 54.7,45.98 54.7,52.28 54.67,52.31 54.62,52.31 54.62,52.53
GND on BOTTOM: 11.01,12.68 4.36,6.03 4.36,5.09 5.8,3.64 13.75,3.64 13.96,3.84 13.96,7.37 13.78,7.55 13.78,16.72 13.63,16.87 11.29,16.87 11.01,16.59
GND on BOTTOM, GND02, LAY3, LAY4: 88.81,35.72 85.91,35.72 84.06,33.87 84.06,31.17 85.94,29.29 88.84,29.29 90.66,31.12 90.66,33.87
GND on GND02: 99.48,78.72 0.49,78.72 0.29,78.52 0.29,0.57 0.6,0.26 6.87,0.26 7.07,0.46 7.07,2.83 7.89,3.64 13.75,3.64 14.11,4 14.11,16.09 15.05,17.03 16.7,17.03 17.03,16.7 17.03,7.14 18.53,5.65 29.1,5.65 33.87,10.42 33.87,12.96 34.3,13.39 34.3,14.99 34.89,15.58 37.27,15.58 37.53,15.32 37.53,14.23 37.93,13.82 37.93,9.63 38.82,8.74 46.29,8.74 47.31,9.76 47.31,13.85 47.64,14.18 47.64,15.02 48.45,15.83 54.14,15.83 54.52,15.45 54.52,14.18 55,13.7 55,9.81 55.94,8.87 63.59,8.87 64.32,9.61 64.32,13.9 64.63,14.21 64.63,14.59 68.54,18.5 68.54,19.82 69,20.28 74.64,20.28 74.79,20.43 74.79,22.74 75.5,23.45 85.69,23.45 86.65,22.49 86.65,20.66 87.64,19.67 87.64,9.53 87.34,9.23 87.34,7.4 87.49,7.25 88.43,7.25 88.71,6.97 88.71,6.76 90.51,4.96 94.37,4.96 95.11,5.7 95.11,6.59 95.92,7.4 99.58,7.4 99.73,7.55 99.73,78.47 ; 6 cut-outs
GND on GND02, LAY4: 90.16,59.7 86.14,59.7 84.21,57.77 84.21,53.37 85.41,52.18 89.78,52.18 91.1,53.5 91.1,58.76
GND on LAY3: 11.34,10.83 1.74,10.83 1.03,11.54 0.49,11.54 0.29,11.34 0.29,0.57 0.6,0.26 6.87,0.26 7.07,0.46 7.07,2.83 7.89,3.64 12.31,3.64 12.56,3.89 12.56,9.61
GND on LAY3: 48.73,65.08 46.85,65.08 46.04,64.27 46.04,61.09 46.29,60.84 48.65,60.84 49.19,61.37 49.19,64.62
GND on LAY3: 60.24,69.43 58.81,69.43 56.96,67.57 56.96,65.72 58.33,64.35 58.33,62.59 58.89,62.03 62.12,62.03 62.7,62.62 62.7,66.96
GND on LAY3: 99.58,7.4 88.3,7.4 87.85,7.86 87.85,10.52 88.99,11.67 93.23,11.67 93.81,12.25 93.81,21.24 89.47,25.59 73.9,25.59 73.75,25.74 73.75,31.71 73.11,32.34 73.11,53.37 70.8,55.68 70.8,56.85 70.95,57 73.34,57 74.59,58.25 74.59,62.01 73.01,63.58 73.01,73.24 70.73,75.52 23.3,75.52 21.93,74.15 17.06,74.15 16.14,73.24 0.72,73.24 0.29,73.67 0.29,78.52 0.49,78.72 99.48,78.72 99.73,78.47 99.73,7.55 ; 9 cut-outs
GND on LAY3: 20.38,78.72 14.19,78.72 12.74,77.27 12.74,73.69 13.19,73.24 21.02,73.24 22.26,74.48 22.26,76.84
GND on LAY3: 36.41,52.03 20.43,52.03 19.39,53.07 17.54,53.07 17.11,53.5 17.11,61.73 14.39,64.45 7.23,64.45 5.75,62.97 5.75,37.57 14.62,28.71 14.62,17.71 15.1,17.23 32.98,17.23 33.77,16.44 67.96,16.44 68.52,17 68.52,19.79 69,20.28 72.3,20.28 75.45,23.43 85.79,23.43 86.7,22.51 86.7,8.01 87.31,7.4 92.37,7.4 95.06,10.09 95.06,24.24 90.16,29.14 82.56,29.14 73.47,38.23 73.47,56.62 74.92,58.07 74.92,61.81 74.64,62.08 73.11,62.08 72.76,62.44 72.76,63.74 66.26,70.24 49.62,70.24 46.04,66.66 38.06,66.66 34.86,63.46 34.86,61.58 35.42,61.02 37.4,61.02 37.86,60.56 37.86,53.47 ; 39 cut-outs
GND on LAY3: 88.51,58.4 86.17,58.4 84.31,56.55 84.31,53.96 85.79,52.48 88.71,52.48 90.23,54.01 90.23,56.67
GND on LAY3: 55.54,57.06 53.66,57.06 53.43,56.83 53.43,55.76 51.6,53.93 51.6,45.65 53.68,43.57 56.4,43.57 56.68,43.85 56.68,55.91
GND on LAY3: 33.54,39.28 28.43,39.28 28.13,38.97 28.13,33.84 28.33,33.64 33.87,33.64 34.56,34.32 34.56,38.26
GND on LAY3: 70.09,36.81 66.41,36.81 63.89,34.3 63.89,33.03 66.61,30.31 69.25,30.31 70.29,31.35 70.29,36.61
GND on LAY4: 14.03,78.72 19.42,78.72 20.23,77.91 20.23,73.62 18.73,72.12 13.78,72.12 12.66,73.24 12.66,77.35
GND on PWR05: 82.46,78.72 77.38,78.72 76.26,77.6 76.26,74.53 78.14,72.65 83.76,72.65 84.11,73.01 84.11,77.07
GND on PWR05: 0.49,78.72 99.48,78.72 99.73,78.47 99.73,7.55 99.58,7.4 95.92,7.4 95.11,6.59 95.11,5.7 94.37,4.96 90.51,4.96 88.71,6.76 88.71,6.97 88.43,7.25 87.49,7.25 86.88,7.86 86.88,13.34 87.64,14.1 87.64,14.31 88.05,14.71 89.5,14.71 99.15,24.37 99.15,70.95 97.45,72.65 78.32,72.65 73.6,77.38 26.4,77.38 24.88,75.85 24.88,66.56 24.35,66.02 19.01,66.02 18.38,66.66 18.38,70.21 18.58,70.42 20.87,70.42 21.09,70.64 21.09,72.17 20.97,72.3 18.33,72.3 18.1,72.07 0.77,72.07 0.29,72.55 0.29,78.52